# Altium PCB TwoFoot_PCB_m4T1Top2.PcbDoc (part 4 of 9)
Units mil, origin at the board's own origin, x right, y up, seen from the top; angles counter-clockwise.
Board outline 2525.58 x 2682.53 mil, 2 copper layers (Top Layer, Bottom Layer); 83 components, 113 nets, 349 pads, 87 vias.
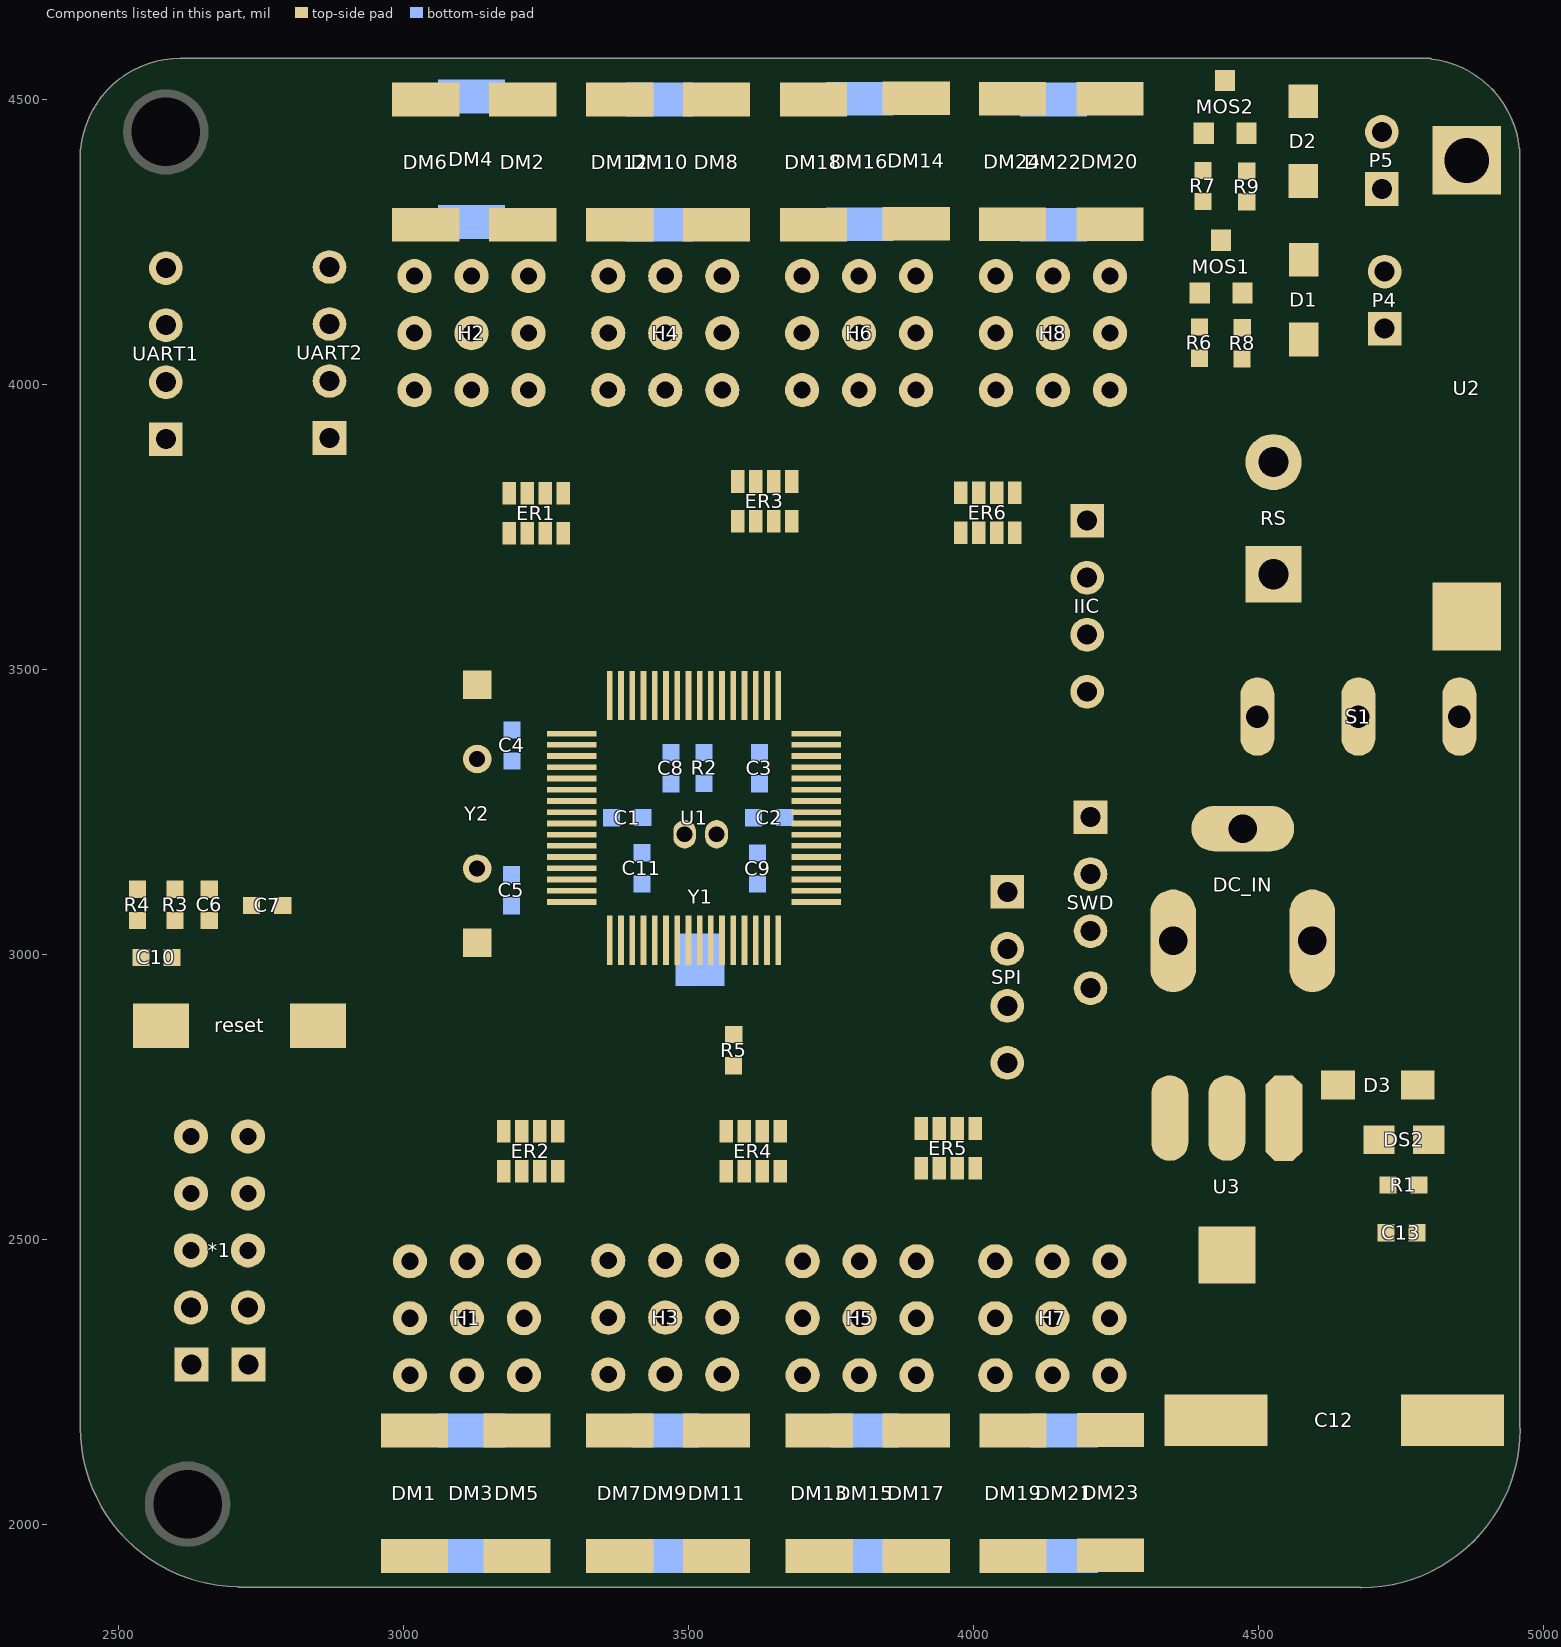
[diagram p4: the components of this part, seen from the top]

## Via types
v1: diameter 24, hole 12, Top Layer to Bottom Layer, 65 vias
v2: diameter 30, hole 20, Top Layer to Bottom Layer, 8 vias
v3: diameter 20, hole 15, Top Layer to Bottom Layer, 8 vias
v4: diameter 32, hole 15, Top Layer to Bottom Layer, 3 vias
v5: diameter 60, hole 45, Top Layer to Bottom Layer, 1 vias
v6: diameter 50, hole 35, Top Layer to Bottom Layer, 1 vias
v7: diameter 30, hole 15, Top Layer to Bottom Layer, 1 vias

## Nets (pads, with @x,y where several pads share a name; then routed paths per layer and width w, separated by ;. In a path a pad name is that pad's centre, name@x,y a point inside that pad or via, vN(x,y) a via of type N, cw(c..) or ccw(c..) an arc to the next point about the centre after c; other vN are vias at no path point) (continued)
copper on no net: (continued)
  Top Layer w0.6: 2735.4,3474.2 2735.4,3482 ; 2735.4,3485.6 2735.4,3545 ; 2735.4,3548 2735.4,3554.6 ; 2735.4,3606.8 2735.4,3611 ; 2735.4,3611.6 2735.4,3613.4 ; 2735.4,3619.4 2735.4,3676.4 ; 2735.4,3677 2735.4,3678.8 ; 2735.4,3681.2 2735.4,3687.2 ; 2736,3474.2 2736,3482 ; 2736,3485.6 2736,3545 ; 2736,3548 2736,3554.6 ; 2736,3605.6 2736,3612.8 ; 2736,3619.4 2736,3676.4 ; 2736,3677 2736,3678.8 ; 2736,3680.6 2736,3687.2 ; 2736.6,3474.2 2736.6,3482 ; 2736.6,3485.6 2736.6,3545 ; 2736.6,3548 2736.6,3554.6 ; 2736.6,3605.6 2736.6,3611 ; 2736.6,3611.6 2736.6,3612.8 ; 2736.6,3619.4 2736.6,3675.8 ; 2736.6,3676.4 2736.6,3678.8 ; 2736.6,3680.6 2736.6,3686.6 ; 2737.2,3473.6 2737.2,3482 ; 2737.2,3485.6 2737.2,3545 ; 2737.2,3548 2737.2,3554.6 ; 2737.2,3605.6 2737.2,3612.8 ; 2737.2,3618.8 2737.2,3675.8 ; 2737.2,3676.4 2737.2,3678.2 ; 2737.2,3680.6 2737.2,3686.6 ; 2737.2,3688.4 2737.2,3689 ; 2737.8,3473.6 2737.8,3482.6 ; 2737.8,3485.6 2737.8,3545 ; 2737.8,3548 2737.8,3554.6 ; 2737.8,3605.6 2737.8,3612.2 ; 2737.8,3618.8 2737.8,3675.8 ; 2737.8,3676.4 2737.8,3678.2 ; 2737.8,3680 2737.8,3686.6 ; 2737.8,3688.4 2737.8,3689 ; 2738.4,3473.6 2738.4,3482.6 ; 2738.4,3483.2 2738.4,3483.8 ; 2738.4,3485.6 2738.4,3545 ; 2738.4,3548 2738.4,3555.2 ; 2738.4,3605 2738.4,3610.4 ; 2738.4,3611 2738.4,3612.2 ; 2738.4,3618.8 2738.4,3675.2 ; 2738.4,3675.8 2738.4,3678.2 ; 2738.4,3680 2738.4,3686 ; 2739,3473.6 2739,3482.6 ; 2739,3483.2 2739,3483.8 ; 2739,3485.6 2739,3545 ; 2739,3548 2739,3555.2 ; 2739,3605 2739,3612.2 ; 2739,3618.2 2739,3675.2 ; 2739,3675.8 2739,3677.6 ; 2739,3679.4 2739,3686 ; 2739.6,3473.6 2739.6,3482.6 ; 2739.6,3483.2 2739.6,3483.8 ; 2739.6,3485.6 2739.6,3545 ; 2739.6,3548 2739.6,3555.2 ; 2739.6,3604.4 2739.6,3609.8 ; 2739.6,3610.4 2739.6,3611.6 ; 2739.6,3618.2 2739.6,3675.2 ; 2739.6,3675.8 2739.6,3677.6 ; 2739.6,3679.4 2739.6,3686 ; 2740.2,3473.6 2740.2,3482.6 ; 2740.2,3483.2 2740.2,3483.8 ; 2740.2,3485.6 2740.2,3545 ; 2740.2,3548 2740.2,3555.2 ; 2740.2,3604.4 2740.2,3611.6 ; 2740.2,3617.6 2740.2,3674.6 ; 2740.2,3675.2 2740.2,3677 ; 2740.2,3679.4 2740.2,3685.4 ; 2740.2,3687.2 2740.2,3687.8 ; 2740.8,3473.6 2740.8,3482.6 ; 2740.8,3483.2 2740.8,3483.8 ; 2740.8,3485.6 2740.8,3545 ; 2740.8,3548 2740.8,3555.2 ; 2740.8,3604.4 2740.8,3611 ; 2740.8,3615.2 2740.8,3674.6 ; 2740.8,3675.2 2740.8,3677 ; 2740.8,3678.8 2740.8,3685.4 ; 2740.8,3687.2 2740.8,3687.8 ; 2741.4,3473.6 2741.4,3483.8 ; 2741.4,3485.6 2741.4,3545 ; 2741.4,3548 2741.4,3555.2 ; 2741.4,3604.4 2741.4,3611 ; 2741.4,3615.2 2741.4,3674.6 ; 2741.4,3675.2 2741.4,3677 ; 2741.4,3678.8 2741.4,3684.8 ; 2741.4,3686.6 2741.4,3687.8 ; 2742,3473.6 2742,3483.8 ; 2742,3485.6 2742,3545 ; 2742,3548 2742,3555.2 ; 2742,3603.8 2742,3611 ; 2742,3614.6 2742,3674 ; 2742,3674.6 2742,3676.4 ; 2742,3678.2 2742,3684.8 ; 2742,3686.6 2742,3687.8 ; 2742.6,3473.6 2742.6,3483.8 ; 2742.6,3485.6 2742.6,3545 ; 2742.6,3548 2742.6,3555.2 ; 2742.6,3603.8 2742.6,3610.4 ; 2742.6,3614.6 2742.6,3674 ; 2742.6,3674.6 2742.6,3676.4 ; 2742.6,3678.2 2742.6,3684.8 ; 2742.6,3686.6 2742.6,3687.8 ; 2743.2,3473.6 2743.2,3483.8 ; 2743.2,3485.6 2743.2,3545 ; 2743.2,3548 2743.2,3555.2 ; 2743.2,3603.8 2743.2,3610.4 ; 2743.2,3614 2743.2,3676.4 ; 2743.2,3678.2 2743.2,3684.2 ; 2743.2,3686.6 2743.2,3687.8 ; 2743.8,3473.6 2743.8,3483.8 ; 2743.8,3485.6 2743.8,3545 ; 2743.8,3548 2743.8,3555.2 ; 2743.8,3603.8 2743.8,3610.4 ; 2743.8,3614 2743.8,3673.4 ; 2743.8,3674.6 2743.8,3675.8 ; 2743.8,3677.6 2743.8,3684.2 ; 2743.8,3686.6 2743.8,3687.8 ; 2744.4,3473.6 2744.4,3483.8 ; 2744.4,3485.6 2744.4,3541.4 ; 2744.4,3542 2744.4,3542.6 ; 2744.4,3543.2 2744.4,3545 ; 2744.4,3548 2744.4,3555.2 ; 2744.4,3603.2 2744.4,3609.8 ; 2744.4,3614 2744.4,3673.4 ; 2744.4,3674 2744.4,3675.2 ; 2744.4,3677.6 2744.4,3680.6 ; 2744.4,3681.2 2744.4,3684.2 ; 2744.4,3686.6 2744.4,3687.8 ; 2745,3473.6 2745,3483.8 ; 2745,3485.6 2745,3541.4 ; 2745,3543.8 2745,3545 ; 2745,3548 2745,3555.2 ; 2745,3603.2 2745,3609.8 ; 2745,3613.4 2745,3675.2 ; 2745,3678.2 2745,3680 ; 2745,3681.2 2745,3684.2 ; 2745,3686 2745,3687.8 ; 2745.6,3473.6 2745.6,3475.4 ; 2745.6,3476 2745.6,3483.8 ; 2745.6,3485.6 2745.6,3541.4 ; 2745.6,3543.2 2745.6,3545 ; 2745.6,3548 2745.6,3555.2 ; 2745.6,3603.2 2745.6,3609.2 ; 2745.6,3613.4 2745.6,3672.8 ; 2745.6,3673.4 2745.6,3675.2 ; 2745.6,3680.6 2745.6,3684.2 ; 2745.6,3685.4 2745.6,3687.2 ; 2746.2,3473.6 2746.2,3474.8 ; 2746.2,3476 2746.2,3483.8 ; 2746.2,3485.6 2746.2,3541.4 ; 2746.2,3543.2 2746.2,3545 ; 2746.2,3548 2746.2,3555.2 ; 2746.2,3603.2 2746.2,3609.2 ; 2746.2,3613.4 2746.2,3672.8 ; 2746.2,3673.4 2746.2,3675.2 ; 2746.2,3680.6 2746.2,3684.2 ; 2746.2,3684.8 2746.2,3687.2 ; 2746.8,3473.6 2746.8,3474.2 ; 2746.8,3477.2 2746.8,3483.8 ; 2746.8,3485.6 2746.8,3541.4 ; 2746.8,3543.2 2746.8,3545 ; 2746.8,3548 2746.8,3555.2 ; 2746.8,3603.2 2746.8,3609.2 ; 2746.8,3612.8 2746.8,3674.6 ; 2746.8,3680 2746.8,3687.2 ; 2747.4,3477.2 2747.4,3483.8 ; 2747.4,3485.6 2747.4,3541.4 ; 2747.4,3543.2 2747.4,3545 ; 2747.4,3548 2747.4,3555.2 ; 2747.4,3603.2 2747.4,3608.6 ; 2747.4,3612.8 2747.4,3674.6 ; 2747.4,3680 2747.4,3687.2 ; 2748,3477.2 2748,3484.4 ; 2748,3485.6 2748,3541.4 ; 2748,3543.2 2748,3545 ; 2748,3548 2748,3555.2 ; 2748,3603.2 2748,3608.6 ; 2748,3612.8 2748,3674.6 ; 2748,3680 2748,3686.6 ; 2748.6,3477.2 2748.6,3482.6 ; 2748.6,3483.2 2748.6,3483.8 ; 2748.6,3485.6 2748.6,3541.4 ; 2748.6,3543.2 2748.6,3545 ; 2748.6,3548 2748.6,3555.2 ; 2748.6,3603.2 2748.6,3608.6 ; 2748.6,3612.2 2748.6,3674 ; 2748.6,3676.4 2748.6,3677 ; 2748.6,3679.4 2748.6,3686.6 ; 2749.2,3477.2 2749.2,3482.6 ; 2749.2,3483.2 2749.2,3484.4 ; 2749.2,3485.6 2749.2,3541.4 ; 2749.2,3543.8 2749.2,3545 ; 2749.2,3548 2749.2,3555.2 ; 2749.2,3603.2 2749.2,3608 ; 2749.2,3612.2 2749.2,3674 ; 2749.2,3675.8 2749.2,3677 ; 2749.2,3679.4 2749.2,3686 ; 2749.8,3477.2 2749.8,3482.6 ; 2749.8,3483.2 2749.8,3489.8 ; 2749.8,3490.4 2749.8,3541.4 ; 2749.8,3543.2 2749.8,3545 ; 2749.8,3548 2749.8,3555.2 ; 2749.8,3603.8 2749.8,3608 ; 2749.8,3612.2 2749.8,3674 ; 2749.8,3675.8 2749.8,3677 ; 2749.8,3678.8 2749.8,3686 ; 2750.4,3477.2 2750.4,3482.6 ; 2750.4,3483.2 2750.4,3545 ; 2750.4,3548 2750.4,3555.2 ; 2750.4,3603.8 2750.4,3607.4 ; 2750.4,3611.6 2750.4,3673.4 ; 2750.4,3675.2 2750.4,3677 ; 2750.4,3678.8 2750.4,3684.2 ; 2750.4,3684.8 2750.4,3686 ; 2751,3477.2 2751,3482.6 ; 2751,3483.2 2751,3545 ; 2751,3548 2751,3555.2 ; 2751,3603.8 2751,3607.4 ; 2751,3612.2 2751,3673.4 ; 2751,3675.2 2751,3676.4 ; 2751,3678.8 2751,3683.6 ; 2751.6,3477.2 2751.6,3477.8 ; 2751.6,3478.4 2751.6,3482.6 ; 2751.6,3483.2 2751.6,3545 ; 2751.6,3548 2751.6,3555.2 ; 2751.6,3604.4 2751.6,3607.4 ; 2751.6,3611.6 2751.6,3672.8 ; 2751.6,3674.6 2751.6,3676.4 ; 2751.6,3678.2 2751.6,3683 ; 2751.6,3684.2 2751.6,3684.8 ; 2752.2,3477.2 2752.2,3477.8 ; 2752.2,3478.4 2752.2,3482.6 ; 2752.2,3483.2 2752.2,3545 ; 2752.2,3548 2752.2,3555.2 ; 2752.2,3604.4 2752.2,3606.8 ; 2752.2,3612.8 2752.2,3614 ; 2752.2,3615.2 2752.2,3615.8 ; 2752.2,3616.4 2752.2,3672.8 ; 2752.2,3674.6 2752.2,3676.4 ; 2752.2,3678.2 2752.2,3683 ; 2752.2,3684.2 2752.2,3684.8 ; 2752.8,3477.8 2752.8,3482.6 ; 2752.8,3483.2 2752.8,3545 ; 2752.8,3548 2752.8,3554.6 ; 2752.8,3605 2752.8,3606.8 ; 2752.8,3617 2752.8,3672.8 ; 2752.8,3674.6 2752.8,3675.8 ; 2752.8,3678.2 2752.8,3683 ; 2753.4,3477.8 2753.4,3482.6 ; 2753.4,3483.8 2753.4,3545 ; 2753.4,3548 2753.4,3554.6 ; 2753.4,3618.2 2753.4,3672.2 ; 2753.4,3674 2753.4,3675.8 ; 2753.4,3677.6 2753.4,3681.8 ; 2754,3474.2 2754,3474.8 ; 2754,3477.8 2754,3482.6 ; 2754,3483.8 2754,3545 ; 2754,3548 2754,3554.6 ; 2754,3618.2 2754,3672.2 ; 2754,3674 2754,3675.8 ; 2754,3677.6 2754,3681.2 ; 2754.6,3474.2 2754.6,3474.8 ; 2754.6,3477.8 2754.6,3482.6 ; 2754.6,3483.8 2754.6,3545 ; 2754.6,3548 2754.6,3554.6 ; 2754.6,3618.2 2754.6,3672.2 ; 2754.6,3674 2754.6,3675.2 ; 2754.6,3677 2754.6,3681.2 ; 2755.2,3474.2 2755.2,3474.8 ; 2755.2,3477.8 2755.2,3482.6 ; 2755.2,3483.8 2755.2,3488 ; 2755.2,3488.6 2755.2,3545 ; 2755.2,3548.6 2755.2,3554.6 ; 2755.2,3617.6 2755.2,3671.6 ; 2755.2,3673.4 2755.2,3675.2 ; 2755.2,3677 2755.2,3679.4 ; 2755.2,3680 2755.2,3681.2 ; 2755.8,3477.8 2755.8,3482.6 ; 2755.8,3483.8 2755.8,3545 ; 2755.8,3548.6 2755.8,3554.6 ; 2755.8,3603.8 2755.8,3606.8 ; 2755.8,3617.6 2755.8,3671.6 ; 2755.8,3673.4 2755.8,3675.2 ; 2755.8,3677 2755.8,3680.6 ; 2756.4,3477.8 2756.4,3482 ; 2756.4,3483.8 2756.4,3545 ; 2756.4,3548.6 2756.4,3554.6 ; 2756.4,3603.2 2756.4,3612.2 ; 2756.4,3617 2756.4,3671 ; 2756.4,3673.4 2756.4,3674.6 ; 2756.4,3676.4 2756.4,3680 ; 2757,3477.8 2757,3482 ; 2757,3484.4 2757,3545 ; 2757,3548.6 2757,3554 ; 2757,3602.6 2757,3615.2 ; 2757,3617 2757,3671 ; 2757,3672.8 2757,3674.6 ; 2757,3676.4 2757,3680 ; 2757.6,3474.8 2757.6,3475.4 ; 2757.6,3477.8 2757.6,3482 ; 2757.6,3484.4 2757.6,3488 ; 2757.6,3488.6 2757.6,3545 ; 2757.6,3548 2757.6,3554.6 ; 2757.6,3602 2757.6,3615.8 ; 2757.6,3616.4 2757.6,3671 ; 2757.6,3672.8 2757.6,3674 ; 2757.6,3676.4 2757.6,3680 ; 2758.2,3474.8 2758.2,3475.4 ; 2758.2,3477.8 2758.2,3482 ; 2758.2,3484.4 2758.2,3488 ; 2758.2,3488.6 2758.2,3545 ; 2758.2,3548 2758.2,3554.6 ; 2758.2,3601.4 2758.2,3616.4 ; 2758.2,3617 2758.2,3670.4 ; 2758.2,3672.2 2758.2,3674 ; 2758.2,3675.8 2758.2,3679.4 ; 2758.8,3474.8 2758.8,3475.4 ; 2758.8,3477.8 2758.8,3482 ; 2758.8,3484.4 2758.8,3487.4 ; 2758.8,3488.6 2758.8,3545 ; 2758.8,3548 2758.8,3554.6 ; 2758.8,3600.8 2758.8,3616.4 ; 2758.8,3617 2758.8,3670.4 ; 2758.8,3672.8 2758.8,3674 ; 2758.8,3675.8 2758.8,3679.4 ; 2759.4,3475.4 2759.4,3476 ; 2759.4,3477.8 2759.4,3482 ; 2759.4,3485 2759.4,3485.6 ; 2759.4,3486.2 2759.4,3487.4 ; 2759.4,3488.6 2759.4,3545 ; 2759.4,3548 2759.4,3554 ; 2759.4,3600.2 2759.4,3620.6 ; 2759.4,3621.2 2759.4,3670.4 ; 2759.4,3671 2759.4,3673.4 ; 2759.4,3675.2 2759.4,3678.8 ; 2760,3475.4 2760,3476 ; 2760,3477.8 2760,3482 ; 2760,3488.6 2760,3545 ; 2760,3548 2760,3554 ; 2760,3600.2 2760,3673.4 ; 2760,3675.2 2760,3678.8 ; 2760.6,3475.4 2760.6,3476 ; 2760.6,3477.8 2760.6,3482 ; 2760.6,3488.6 2760.6,3545 ; 2760.6,3548 2760.6,3554 ; 2760.6,3600.2 2760.6,3624.8 ; 2760.6,3626 2760.6,3666.2 ; 2760.6,3667.4 2760.6,3673.4 ; 2760.6,3675.2 2760.6,3678.2 ; 2761.2,3476 2761.2,3477.2 ; 2761.2,3477.8 2761.2,3482 ; 2761.2,3488.6 2761.2,3544.4 ; 2761.2,3548 2761.2,3553.4 ; 2761.2,3599.6 2761.2,3627.8 ; 2761.2,3628.4 2761.2,3665.6 ; 2761.2,3666.8 2761.2,3672.8 ; 2761.2,3674.6 2761.2,3678.2 ; 2761.8,3476 2761.8,3477.2 ; 2761.8,3478.4 2761.8,3482 ; 2761.8,3488.6 2761.8,3537.8 ; 2761.8,3541.4 2761.8,3544.4 ; 2761.8,3548 2761.8,3552.8 ; 2761.8,3599.6 2761.8,3603.2 ; 2761.8,3603.8 2761.8,3665.6 ; 2761.8,3666.8 2761.8,3672.8 ; 2761.8,3674.6 2761.8,3677.6 ; 2762.4,3476.6 2762.4,3477.2 ; 2762.4,3477.8 2762.4,3482 ; 2762.4,3488 2762.4,3537.8 ; 2762.4,3541.4 2762.4,3544.4 ; 2762.4,3548 2762.4,3553.4 ; 2762.4,3599.6 2762.4,3665.6 ; 2762.4,3666.8 2762.4,3672.2 ; 2762.4,3674 2762.4,3677.6 ; 2763,3476.6 2763,3481.4 ; 2763,3488 2763,3537.2 ; 2763,3548 2763,3552.8 ; 2763,3599 2763,3633.8 ; 2763,3634.4 2763,3665 ; 2763,3667.4 2763,3672.2 ; 2763,3674 2763,3677.6 ; 2763.6,3477.2 2763.6,3481.4 ; 2763.6,3488 2763.6,3537.2 ; 2763.6,3548 2763.6,3552.2 ; 2763.6,3598.4 2763.6,3602.6 ; 2763.6,3603.2 2763.6,3665 ; 2763.6,3666.8 2763.6,3671.6 ; 2763.6,3674 2763.6,3677 ; 2764.2,3477.8 2764.2,3481.4 ; 2764.2,3488 2764.2,3537.2 ; 2764.2,3548.6 2764.2,3552.2 ; 2764.2,3598.4 2764.2,3600.8 ; 2764.2,3601.4 2764.2,3637.4 ; 2764.2,3638 2764.2,3665 ; 2764.2,3666.8 2764.2,3671 ; 2764.2,3674 2764.2,3677 ; 2764.8,3478.4 2764.8,3481.4 ; 2764.8,3488 2764.8,3537.2 ; 2764.8,3548.6 2764.8,3551.6 ; 2764.8,3598.4 2764.8,3664.4 ; 2764.8,3666.8 2764.8,3670.4 ; 2764.8,3673.4 2764.8,3677 ; 2765.4,3479 2765.4,3480.8 ; 2765.4,3488 2765.4,3537.2 ; 2765.4,3548.6 2765.4,3551 ; 2765.4,3597.8 2765.4,3602 ; 2765.4,3602.6 2765.4,3664.4 ; 2765.4,3666.2 2765.4,3670.4 ; 2765.4,3673.4 2765.4,3677 ; 2766,3479.6 2766,3480.8 ; 2766,3488 2766,3507.8 ; 2766,3508.4 2766,3509.6 ; 2766,3510.2 2766,3537.2 ; 2766,3548.6 2766,3550.4 ; 2766,3597.8 2766,3664.4 ; 2766,3666.2 2766,3669.8 ; 2766,3673.4 2766,3676.4 ; 2766.6,3488 2766.6,3536.6 ; 2766.6,3597.2 2766.6,3602 ; 2766.6,3602.6 2766.6,3644 ; 2766.6,3644.6 2766.6,3663.8 ; 2766.6,3666.2 2766.6,3669.8 ; 2766.6,3672.8 2766.6,3676.4 ; 2766.6,3680 2766.6,3680.6 ; 2767.2,3483.8 2767.2,3539.6 ; 2767.2,3597.8 2767.2,3637.4 ; 2767.2,3638 2767.2,3663.8 ; 2767.2,3665.6 2767.2,3669.2 ; 2767.2,3672.8 2767.2,3675.8 ; 2767.8,3480.8 2767.8,3483.2 ; 2767.8,3483.8 2767.8,3540.8 ; 2767.8,3541.4 2767.8,3542.6 ; 2767.8,3597.2 2767.8,3663.8 ; 2767.8,3666.2 2767.8,3669.2 ; 2767.8,3672.8 2767.8,3675.8 ; 2768.4,3479 2768.4,3543.2 ; 2768.4,3543.8 2768.4,3549.8 ; 2768.4,3596.6 2768.4,3648.2 ; 2768.4,3648.8 2768.4,3663.8 ; 2768.4,3666.8 2768.4,3668.6 ; 2768.4,3672.2 2768.4,3675.8 ; 2768.4,3678.8 2768.4,3679.4 ; 2769,3477.8 2769,3550.4 ; 2769,3596.6 2769,3663.2 ; 2769,3672.2 2769,3675.8 ; 2769,3678.2 2769,3679.4 ; 2769.6,3476.6 2769.6,3550.4 ; 2769.6,3596.6 2769.6,3663.2 ; 2769.6,3672.2 2769.6,3675.2 ; 2769.6,3678.2 2769.6,3678.8 ; 2770.2,3476 2770.2,3543.8 ; 2770.2,3545 2770.2,3551 ; 2770.2,3596 2770.2,3663.2 ; 2770.2,3671.6 2770.2,3674.6 ; 2770.2,3675.2 2770.2,3675.8 ; 2770.2,3677.6 2770.2,3678.8 ; 2770.8,3475.4 2770.8,3551 ; 2770.8,3596 2770.8,3662.6 ; 2770.8,3671.6 2770.8,3675.2 ; 2770.8,3677 2770.8,3678.2 ; 2771.4,3475.4 2771.4,3546.8 ; 2771.4,3547.4 2771.4,3551 ; 2771.4,3595.4 2771.4,3636.2 ; 2771.4,3636.8 2771.4,3662.6 ; 2771.4,3671.6 2771.4,3675.2 ; 2771.4,3677 2771.4,3678.2 ; 2772,3474.8 2772,3551 ; 2772,3596 2772,3662 ; 2772,3671 2772,3675.8 ; 2772,3676.4 2772,3677.6 ; 2772.6,3474.8 2772.6,3551 ; 2772.6,3595.4 2772.6,3657.2 ; 2772.6,3657.8 2772.6,3662 ; 2772.6,3671 2772.6,3677.6 ; 2773.2,3474.2 2773.2,3551.6 ; 2773.2,3594.8 2773.2,3659 ; 2773.2,3659.6 2773.2,3661.4 ; 2773.2,3671 2773.2,3677 ; 2773.8,3474.2 2773.8,3551.6 ; 2773.8,3594.8 2773.8,3662 ; 2773.8,3670.4 2773.8,3676.4 ; 2774.4,3474.2 2774.4,3551.6 ; 2774.4,3594.8 2774.4,3663.2 ; 2774.4,3670.4 2774.4,3675.8 ; 2775,3474.2 2775,3551.6 ; 2775,3594.2 2775,3663.8 ; 2775,3670.4 2775,3672.2 ; 2775,3672.8 2775,3675.2 ; 2775.6,3474.2 2775.6,3551.6 ; 2775.6,3594.2 2775.6,3665 ; 2775.6,3670.4 2775.6,3674.6 ; 2776.2,3473.6 2776.2,3551.6 ; 2776.2,3594.2 2776.2,3633.8 ; 2776.2,3634.4 2776.2,3666.2 ; 2776.2,3670.4 2776.2,3671.6 ; 2776.2,3672.2 2776.2,3673.4 ; 2776.8,3474.2 2776.8,3551.6 ; 2776.8,3593.6 2776.8,3622.4 ; 2776.8,3623 2776.8,3666.8 ; 2776.8,3670.4 2776.8,3672.2 ; 2777.4,3474.2 2777.4,3547.4 ; 2777.4,3548 2777.4,3551.6 ; 2777.4,3593.6 2777.4,3622.4 ; 2777.4,3623 2777.4,3624.2 ; 2777.4,3625.4 2777.4,3668 ; 2778,3474.2 2778,3551.6 ; 2778,3593.6 2778,3622.4 ; 2778,3631.4 2778,3632.6 ; 2778,3633.2 2778,3668.6 ; 2778.6,3474.2 2778.6,3551.6 ; 2778.6,3593 2778.6,3622.4 ; 2778.6,3632 2778.6,3632.6 ; 2778.6,3633.2 2778.6,3669.2 ; 2779.2,3474.2 2779.2,3551.6 ; 2779.2,3592.4 2779.2,3622.4 ; 2779.2,3633.2 2779.2,3635 ; 2779.2,3636.2 2779.2,3670.4 ; 2779.8,3474.2 2779.8,3552.2 ; 2779.8,3591.8 2779.8,3623 ; 2779.8,3633.2 2779.8,3634.4 ; 2779.8,3636.8 2779.8,3670.4 ; 2780.4,3474.2 2780.4,3474.8 ; 2780.4,3476 2780.4,3476.6 ; 2780.4,3477.2 2780.4,3489.8 ; 2780.4,3492.8 2780.4,3493.4 ; 2780.4,3495.8 2780.4,3497.6 ; 2780.4,3501.8 2780.4,3503 ; 2780.4,3508.4 2780.4,3509 ; 2780.4,3509.6 2780.4,3552.2 ; 2780.4,3591.2 2780.4,3623.6 ; 2780.4,3632.6 2780.4,3634.4 ; 2780.4,3639.8 2780.4,3671 ; 2781,3477.2 2781,3489.8 ; 2781,3510.2 2781,3512 ; 2781,3522.2 2781,3548.6 ; 2781,3549.2 2781,3552.2 ; 2781,3591.2 2781,3624.2 ; 2781,3632.6 2781,3634.4 ; 2781,3641.6 2781,3671 ; 2781.6,3477.2 2781.6,3484.4 ; 2781.6,3485.6 2781.6,3488 ; 2781.6,3510.2 2781.6,3512 ; 2781.6,3522.2 2781.6,3552.2 ; 2781.6,3590.6 2781.6,3625.4 ; 2781.6,3632.6 2781.6,3633.8 ; 2781.6,3644 2781.6,3671.6 ; 2782.2,3477.8 2782.2,3485 ; 2782.2,3485.6 2782.2,3487.4 ; 2782.2,3510.2 2782.2,3512 ; 2782.2,3525.2 2782.2,3552.2 ; 2782.2,3590 2782.2,3626 ; 2782.2,3632 2782.2,3633.8 ; 2782.2,3645.2 2782.2,3672.2 ; 2782.8,3478.4 2782.8,3482.6 ; 2782.8,3483.8 2782.8,3485 ; 2782.8,3510.8 2782.8,3512 ; 2782.8,3527.6 2782.8,3552.2 ; 2782.8,3590 2782.8,3627.2 ; 2782.8,3632 2782.8,3633.8 ; 2782.8,3647 2782.8,3671.6 ; 2783.4,3483.8 2783.4,3484.4 ; 2783.4,3510.8 2783.4,3512 ; 2783.4,3528.2 2783.4,3529.4 ; 2783.4,3530 2783.4,3552.2 ; 2783.4,3590 2783.4,3627.8 ; 2783.4,3629.6 2783.4,3630.2 ; 2783.4,3632 2783.4,3633.2 ; 2783.4,3648.8 2783.4,3672.2 ; 2784,3510.8 2784,3512 ; 2784,3530.6 2784,3552.2 ; 2784,3589.4 2784,3629 ; 2784,3631.4 2784,3633.2 ; 2784,3650.6 2784,3671 ; 2784.6,3510.8 2784.6,3512 ; 2784.6,3530.6 2784.6,3552.2 ; 2784.6,3588.8 2784.6,3629.6 ; 2784.6,3630.8 2784.6,3632.6 ; 2784.6,3651.8 2784.6,3671 ; 2785.2,3510.8 2785.2,3512 ; 2785.2,3530 2785.2,3552.2 ; 2785.2,3588.8 2785.2,3632.6 ; 2785.2,3653.6 2785.2,3670.4 ; 2785.2,3671 2785.2,3672.2 ; 2785.8,3484.4 2785.8,3485.6 ; 2785.8,3510.8 2785.8,3512 ; 2785.8,3529.4 2785.8,3552.2 ; 2785.8,3588.8 2785.8,3633.2 ; 2785.8,3654.2 2785.8,3669.8 ; 2785.8,3671 2785.8,3672.2 ; 2786.4,3483.2 2786.4,3485 ; 2786.4,3510.8 2786.4,3512 ; 2786.4,3527 2786.4,3552.2 ; 2786.4,3588.2 2786.4,3637.4 ; 2786.4,3657.2 2786.4,3668.6 ; 2786.4,3669.2 2786.4,3669.8 ; 2786.4,3670.4 2786.4,3672.2 ; 2787,3483.2 2787,3484.4 ; 2787,3486.2 2787,3486.8 ; 2787,3511.4 2787,3512 ; 2787,3525.2 2787,3526.4 ; 2787,3527 2787,3552.2 ; 2787,3588.2 2787,3630.2 ; 2787,3630.8 2787,3638.6 ; 2787,3657.8 2787,3669.8 ; 2787,3670.4 2787,3671.6 ; 2787.6,3482.6 2787.6,3487.4 ; 2787.6,3510.2 2787.6,3512 ; 2787.6,3522.2 2787.6,3522.8 ; 2787.6,3524.6 2787.6,3552.2 ; 2787.6,3587.6 2787.6,3640.4 ; 2787.6,3658.4 2787.6,3668.6 ; 2787.6,3670.4 2787.6,3671.6 ; 2788.2,3482 2788.2,3487.4 ; 2788.2,3498.2 2788.2,3517.4 ; 2788.2,3519.2 2788.2,3552.2 ; 2788.2,3587.6 2788.2,3642.2 ; 2788.2,3659.6 2788.2,3667.4 ; 2788.2,3669.8 2788.2,3671.6 ; 2788.8,3483.8 2788.8,3552.2 ; 2788.8,3587 2788.8,3644 ; 2788.8,3660.8 2788.8,3666.8 ; 2788.8,3669.8 2788.8,3671 ; 2789.4,3483.8 2789.4,3485.6 ; 2789.4,3486.8 2789.4,3552.2 ; 2789.4,3587 2789.4,3645.2 ; 2789.4,3661.4 2789.4,3666.2 ; 2789.4,3669.8 2789.4,3671 ; 2790,3482 2790,3552.2 ; 2790,3586.4 2790,3648.8 ; 2790,3661.4 2790,3666.2 ; 2790,3669.8 2790,3671 ; 2790.6,3481.4 2790.6,3552.2 ; 2790.6,3586.4 2790.6,3650 ; 2790.6,3662 2790.6,3665.6 ; 2790.6,3669.2 2790.6,3670.4 ; 2791.2,3482 2791.2,3546.8 ; 2791.2,3547.4 2791.2,3552.8 ; 2791.2,3586.4 2791.2,3651.8 ; 2791.2,3662.6 2791.2,3664.4 ; 2791.2,3669.2 2791.2,3670.4 ; 2791.8,3482 2791.8,3552.8 ; 2791.8,3585.8 2791.8,3653.6 ; 2791.8,3662 2791.8,3664.4 ; 2791.8,3669.2 2791.8,3669.8 ; 2792.4,3482.6 2792.4,3553.4 ; 2792.4,3585.8 2792.4,3656.6 ; 2792.4,3661.4 2792.4,3663.8 ; 2793,3482.6 2793,3554 ; 2793,3585.2 2793,3659 ; 2793,3661.4 2793,3663.2 ; 2793,3668.6 2793,3669.2 ; 2793.6,3482.6 2793.6,3554 ; 2793.6,3585.2 2793.6,3663.2 ; 2793.6,3668.6 2793.6,3669.2 ; 2794.2,3482.6 2794.2,3554 ; 2794.2,3585.2 2794.2,3662.6 ; 2794.8,3482.6 2794.8,3555.2 ; 2794.8,3584.6 2794.8,3662.6 ; 2795.4,3482.6 2795.4,3546.8 ; 2795.4,3547.4 2795.4,3555.2 ; 2795.4,3584.6 2795.4,3592.4 ; 2795.4,3593 2795.4,3662.6 ; 2795.4,3667.4 2795.4,3668.6 ; 2796,3475.4 2796,3476 ; 2796,3483.2 2796,3555.2 ; 2796,3584.6 2796,3592.4 ; 2796,3593 2796,3662.6 ; 2796,3667.4 2796,3668 ; 2796.6,3475.4 2796.6,3476 ; 2796.6,3483.2 2796.6,3555.2 ; 2796.6,3584.6 2796.6,3589.4 ; 2796.6,3590 2796.6,3592.4 ; 2796.6,3593.6 2796.6,3596.6 ; 2796.6,3597.2 2796.6,3662.6 ; 2796.6,3666.8 2796.6,3668 ; 2797.2,3483.2 2797.2,3555.8 ; 2797.2,3584 2797.2,3590 ; 2797.2,3590.6 2797.2,3591.8 ; 2797.2,3594.2 2797.2,3662.6 ; 2797.2,3666.8 2797.2,3667.4 ; 2797.8,3483.2 2797.8,3555.8 ; 2797.8,3584 2797.8,3589.4 ; 2797.8,3590 2797.8,3591.8 ; 2797.8,3595.4 2797.8,3662.6 ; 2797.8,3666.2 2797.8,3667.4 ; 2798.4,3483.2 2798.4,3555.8 ; 2798.4,3584 2798.4,3591.8 ; 2798.4,3594.8 2798.4,3662.6 ; 2798.4,3666.2 2798.4,3667.4 ; 2799,3483.2 2799,3555.8 ; 2799,3583.4 2799,3591.2 ; 2799,3594.8 2799,3662 ; 2799,3666.2 2799,3666.8 ; 2799.6,3483.2 2799.6,3555.8 ; 2799.6,3583.4 2799.6,3591.2 ; 2799.6,3594.2 2799.6,3598.4 ; 2799.6,3599 2799.6,3626.6 ; 2799.6,3627.2 2799.6,3662 ; 2799.6,3665.6 2799.6,3666.8 ; 2800.2,3483.2 2800.2,3555.8 ; 2800.2,3583.4 